# Altium PCB DD2088PoE_Daisy_Chain.PcbDoc (part 1 of 6) (continued)
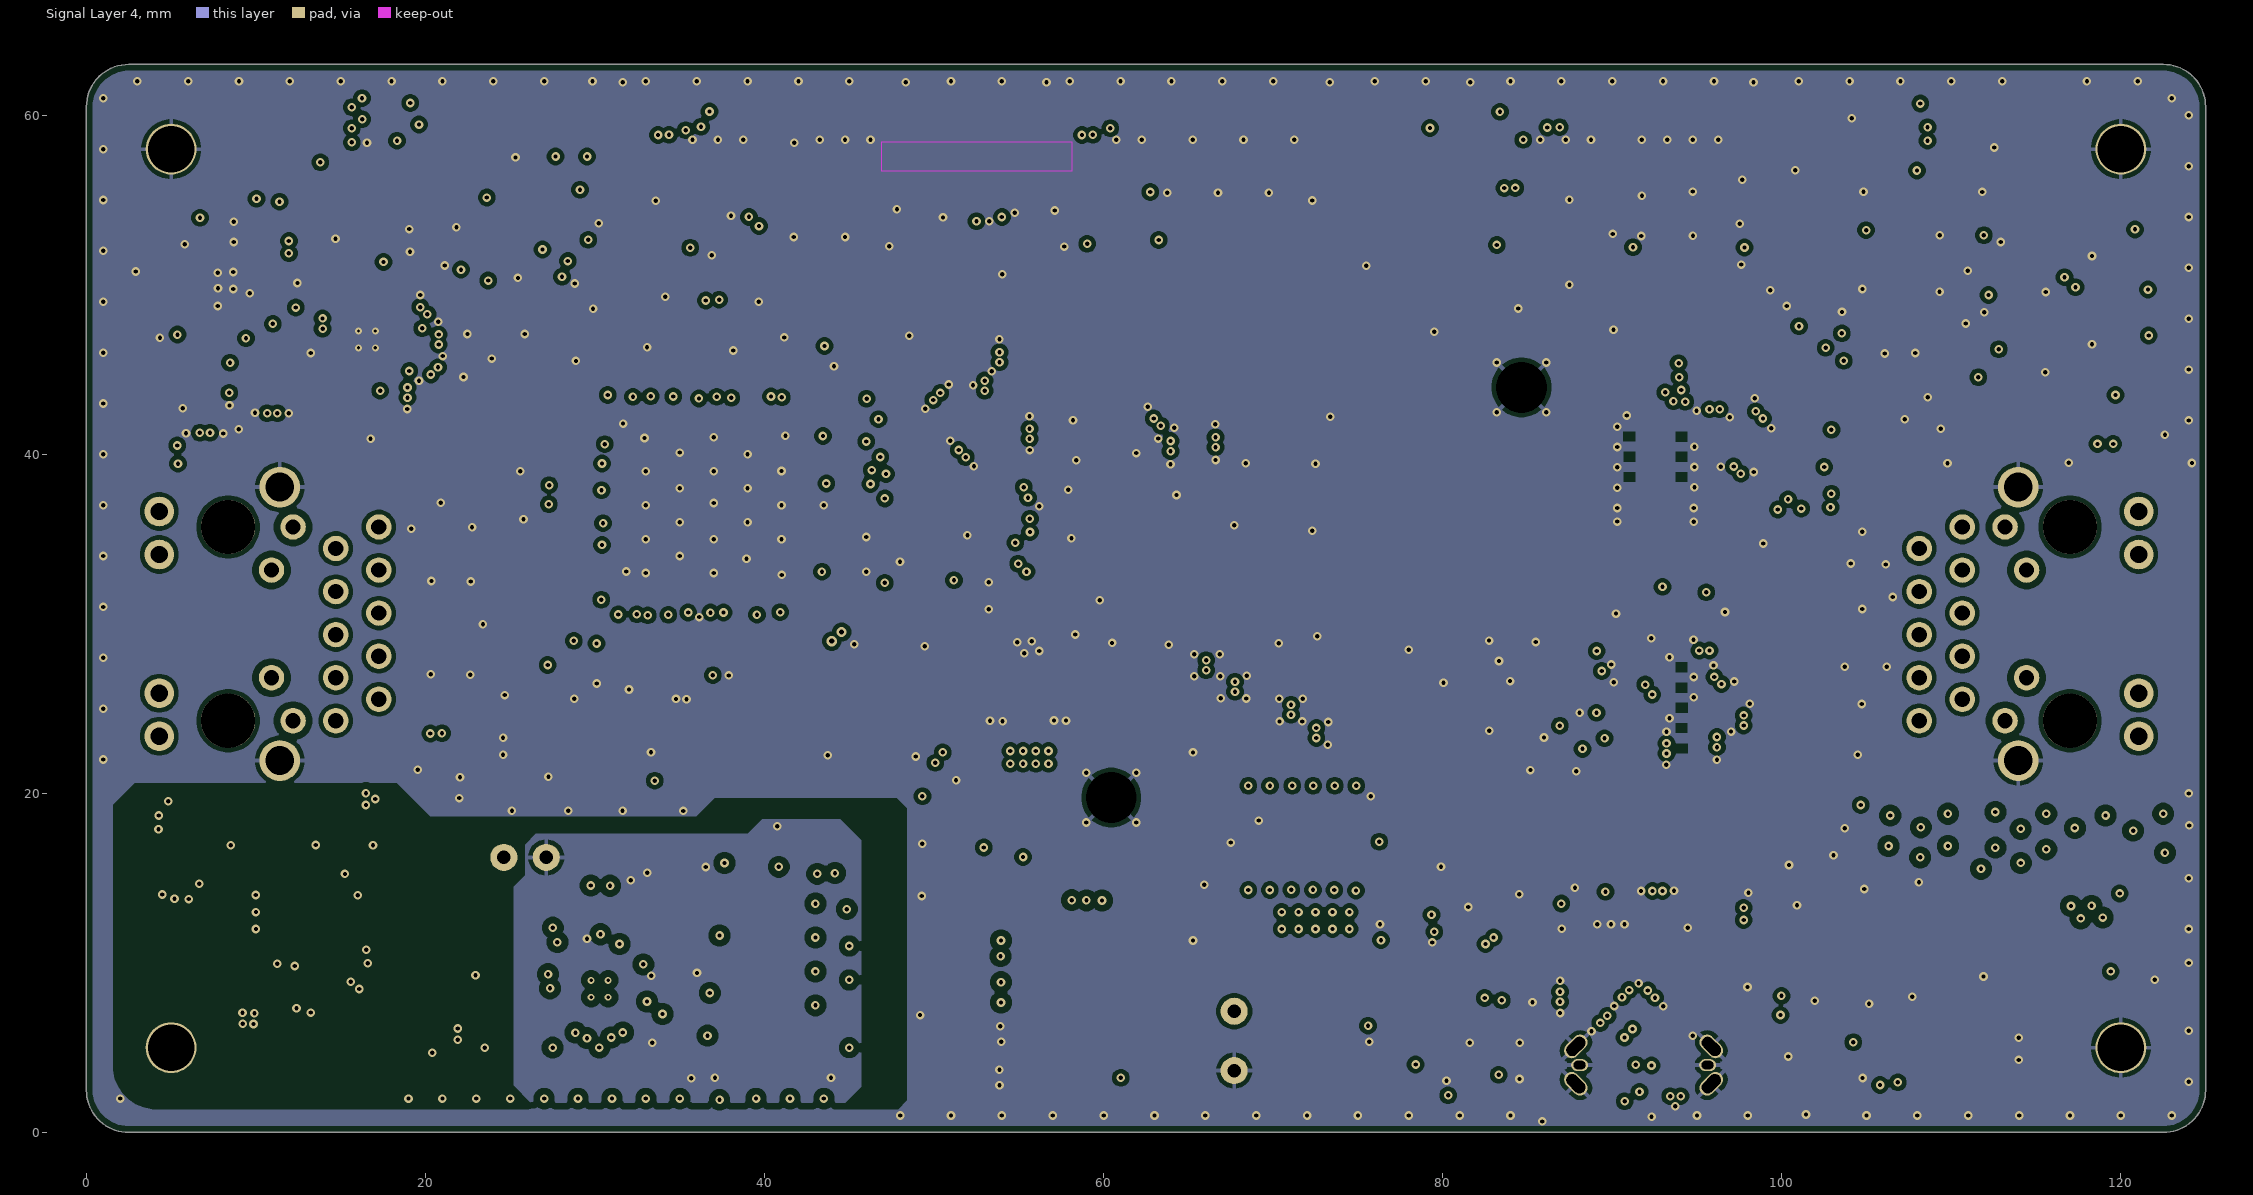
[diagram p5: Signal Layer 4]

## Layer stack, top to bottom
Top Mask: solder mask 0.015, Solder Resist, Dk 3.8
Top Copper: signal copper 0.035
Dielectric 1: prepreg 0.1, 2313, Dk 4.05
Signal Layer 1: signal copper 0.0175
Core 1: core 0.565, FR-4, Dk 4.5
Signal Layer 2: signal copper 0.0175
Dielectric 2: prepreg 0.127, 2116, Dk 4.25
Signal Layer 3: signal copper 0.0175
Core 2: core 0.565, FR-4, Dk 4.5
Signal Layer 4: signal copper 0.0175
Dielectric 3: prepreg 0.1, 2313, Dk 4.05
Bottom Copper: signal copper 0.035
Bottom Mask: solder mask 0.015, Solder Resist, Dk 3.8

## Board outline
0,2.5 ccw(c2.5,2.5) 2.5,0 122.5,0 ccw(c122.5,2.5) 125,2.5 125,60.5 ccw(c122.5,60.5) 122.5,63 2.5,63 ccw(c2.503,60.497) 0,60.495

## Design rules (kind name [scope] priority, off if disabled: settings)
AssemblyTestPointUsage [All] p1: valid=2
BoardOutlineClearance [All] p1: gap=0.381 ignorepadtopadclearanceinfootprint=FALSE
Clearance Diff_Pair_Spacing [(InDifferentialPairClass('All Differential Pairs'))] p1: gap=0.102 ignorepadtopadclearanceinfootprint=TRUE except(0.089: Via-Via; 0.254: SMDPad-Poly THPad-Poly Via-Poly; 0.508: Arc-Poly Track-Poly Fill-Poly Poly-Poly)
Clearance PoE [InNetClass('PoE')] p2: gap=0.254 ignorepadtopadclearanceinfootprint=TRUE except(0.102: Track-SMDPad; 0.203: Arc-Track Track-Track; 0.381: Arc-Poly Track-Poly SMDPad-Poly THPad-Poly Via-Poly Fill-Poly Poly-Poly)
Clearance general [All] p3: gap=0.102 ignorepadtopadclearanceinfootprint=FALSE except(0.254: Arc-Poly Track-Poly SMDPad-Poly THPad-Poly Via-Poly Fill-Poly Poly-Poly Poly-Region Poly-Text Poly-Hole)
ComponentClearance [All] p1: gap=0 collisioncheckmode=3 verticalgap=0 showdistances=FALSE
DiffPairsRouting 85ohm [InDifferentialPairClass('85ohm')] p1: maxlimit=0.254 minlimit=0.127 mostfreqgap=0.254 toplayer_maxgap=0.13 toplayer_prefgap=0.13 toplayer_minwidth=0.13 toplayer_maxwidth=0.139 toplayer_prefwidth=0.13 midlayer2_mingap=0.15 midlayer2_maxgap=0.15 midlayer2_prefgap=0.15 midlayer2_minwidth=0.131 midlayer2_maxwidth=0.131 midlayer2_prefwidth=0.131 bottomlayer_maxgap=0.13 bottomlayer_prefgap=0.13 bottomlayer_minwidth=0.13 bottomlayer_maxwidth=0.139 bottomlayer_prefwidth=0.13 impedanceprofiledriven=TRUE impedanceprofileid={86B41CE9-344F-4982-9283-744235B62342} impedanceprofilevalue=90.000000 maxuncoupledlength=12.7
DiffPairsRouting 90ohm [InDifferentialPairClass('USB3')] p2: maxlimit=0.254 minlimit=0.127 mostfreqgap=0.254 toplayer_maxgap=0.13 toplayer_prefgap=0.13 toplayer_minwidth=0.13 toplayer_maxwidth=0.139 toplayer_prefwidth=0.13 midlayer2_mingap=0.15 midlayer2_maxgap=0.15 midlayer2_prefgap=0.15 midlayer2_minwidth=0.131 midlayer2_maxwidth=0.131 midlayer2_prefwidth=0.131 bottomlayer_maxgap=0.13 bottomlayer_prefgap=0.13 bottomlayer_minwidth=0.13 bottomlayer_maxwidth=0.139 bottomlayer_prefwidth=0.13 impedanceprofiledriven=TRUE impedanceprofileid={86B41CE9-344F-4982-9283-744235B62342} impedanceprofilevalue=90.000000 maxuncoupledlength=12.7
DiffPairsRouting 100ohm [InDifferentialPairClass('100ohm')] p3: maxlimit=0.267 minlimit=0.127 mostfreqgap=0.254 toplayer_maxgap=0.195 toplayer_prefgap=0.195 toplayer_minwidth=0.105 toplayer_maxwidth=0.13 toplayer_prefwidth=0.13 midlayer2_mingap=0.18 midlayer2_prefgap=0.267 midlayer2_minwidth=0.11 midlayer2_maxwidth=0.13 midlayer2_prefwidth=0.13 bottomlayer_maxgap=0.195 bottomlayer_prefgap=0.195 bottomlayer_minwidth=0.105 bottomlayer_maxwidth=0.13 bottomlayer_prefwidth=0.13 impedanceprofiledriven=TRUE impedanceprofileid={980D49B1-4842-4C85-BE42-F6056FE0C244} impedanceprofilevalue=100.000000 maxuncoupledlength=12.7
FabricationTestPointUsage [All] p1: valid=2 allowmultiple=FALSE
HoleSize [All] p1: absolutevalues=TRUE maxlimit=3.81 minlimit=0.203 maxpercent=80.000 minpercent=20.000
HoleToHoleClearance [All] p1: gap=0.254 allowstackedmicrovias=FALSE
MatchedLengths USBD_XSIG [InxSignalClass('USBD')] p1: tolerance=1.27 checknetsindiffpair=TRUE checkdiffpairvsdiffpair=FALSE checkxsignals=FALSE checkothers=FALSE
MatchedLengths USBRX_XSIG [InxSignalClass('USBRX')] p2: tolerance=0.127 checknetsindiffpair=TRUE checkdiffpairvsdiffpair=FALSE checkxsignals=FALSE checkothers=FALSE
MatchedLengths USBTX_XSIG [InxSignalClass('USBTX')] p3: tolerance=0.127 checknetsindiffpair=TRUE checkdiffpairvsdiffpair=FALSE checkxsignals=FALSE checkothers=FALSE
MatchedLengths SPI [InNetClass('QSPI')] p4: tolerance=25.4 checknetsindiffpair=FALSE checkdiffpairvsdiffpair=TRUE checkxsignals=TRUE checkothers=TRUE usedelayunits=TRUE delaytolerance=10.000000
MatchedLengths SDIO [InNetClass('SDIO')] p5: tolerance=25.4 checknetsindiffpair=FALSE checkdiffpairvsdiffpair=TRUE checkxsignals=TRUE checkothers=TRUE usedelayunits=TRUE delaytolerance=10.000000
MatchedLengths MIPI_A [InNetClass('MIPI_CAM_A')] p6: tolerance=25.4 checknetsindiffpair=FALSE checkdiffpairvsdiffpair=TRUE checkxsignals=TRUE checkothers=TRUE usedelayunits=TRUE delaytolerance=1.000000
MatchedLengths MIPI_B [InNetClass('MIPI_CAM_B')] p7: tolerance=25.4 checknetsindiffpair=FALSE checkdiffpairvsdiffpair=TRUE checkxsignals=TRUE checkothers=TRUE usedelayunits=TRUE delaytolerance=1.000000
MatchedLengths MIPI_C [InNetClass('MIPI_CAM_C')] p8: tolerance=25.4 checknetsindiffpair=FALSE checkdiffpairvsdiffpair=TRUE checkxsignals=TRUE checkothers=TRUE usedelayunits=TRUE delaytolerance=1.000000
MatchedLengths DIFF_PAIR [(InDifferentialPairClass('100ohm') or InDifferentialPairClass('85ohm'))] p9: tolerance=0.127 checknetsindiffpair=TRUE checkdiffpairvsdiffpair=FALSE checkxsignals=FALSE checkothers=FALSE
MinimumSolderMaskSliver USB3_Connector [HasFootprint('105450-0101')  OR HasFootprint('CX80B1-24P') OR HasFootprint('TPD4E02B04DQAR')  OR HasFootprint('RTL8111HX-CG')] p1: minsoldermaskwidth=0.003
MinimumSolderMaskSliver RTL8111 [HasFootprint('CX80B1-24P')] p2: minsoldermaskwidth=0.003
MinimumSolderMaskSliver [All] p3: minsoldermaskwidth=0.076
PlaneConnect [All] p1: pad.planeconnectstyle=Relief pad.reliefexpansion=0.508 pad.reliefentries=4 pad.reliefconductorwidth=0.254 pad.reliefairgap=0.254 via.planeconnectstyle=Direct via.reliefexpansion=0.508 via.reliefentries=4 via.reliefconductorwidth=0.254 via.reliefairgap=0.254
PolygonConnect DirectConnect [InPolygonClass('DirectConnectPoly')] p1: connectstyle=Direct reliefconductorwidth=0.254 reliefentries=4 polygonreliefangle="90 Angle" airgapwidth=0.254
PolygonConnect OuterLayerGND_PolyClass [InPolygonClass('OuterLayerGND')] p2: thpad.connectstyle=Relief thpad.reliefconductorwidth=0.254 thpad.reliefentries=4 thpad.polygonreliefangle="90 Angle" thpad.airgapwidth=0.254 smdpad.connectstyle=Relief smdpad.reliefconductorwidth=0.254 smdpad.reliefentries=4 smdpad.polygonreliefangle="90 Angle" smdpad.airgapwidth=0.254 via.connectstyle=Direct via.reliefconductorwidth=0.254 via.reliefentries=4 via.polygonreliefangle="90 Angle" via.airgapwidth=0.254
PolygonConnect PoE_Poly [InPolygonClass('PoE_Poly')] p3: thpad.connectstyle=Direct thpad.reliefconductorwidth=0.254 thpad.reliefentries=4 thpad.polygonreliefangle="90 Angle" thpad.airgapwidth=0.254 smdpad.connectstyle=Relief smdpad.reliefconductorwidth=0.254 smdpad.reliefentries=4 smdpad.polygonreliefangle="90 Angle" smdpad.airgapwidth=0.254 via.connectstyle=Direct via.reliefconductorwidth=0.254 via.reliefentries=4 via.polygonreliefangle="90 Angle" via.airgapwidth=0.254
PolygonConnect Default [All] p4: thpad.connectstyle=Relief thpad.reliefconductorwidth=0.254 thpad.reliefentries=4 thpad.polygonreliefangle="90 Angle" thpad.airgapwidth=0.254 smdpad.connectstyle=Relief smdpad.reliefconductorwidth=0.254 smdpad.reliefentries=4 smdpad.polygonreliefangle="90 Angle" smdpad.airgapwidth=0.254 via.connectstyle=Direct via.reliefconductorwidth=0.254 via.reliefentries=4 via.polygonreliefangle="90 Angle" via.airgapwidth=0.254
RoutingLayers [All] p1: top layer_v5=TRUE mid layer 1_v5=TRUE mid layer 2_v5=TRUE mid layer 3_v5=TRUE mid layer 4_v5=FALSE bottom layer_v5=TRUE
RoutingVias [All] p1: holewidth=0.254 width=0.508 viastyle="Through Hole" minholewidth=0.203 minwidth=0.406 maxholewidth=25.4 maxwidth=25.4 viatemplateguid#1={A1903244-CB7C-4A2A-95EA-261E7733D27A} viatemplatename#1=v41h20m0mx0
SilkToSilkClearance [All] p1: silktosilkclearance=0.025
SilkToSolderMaskClearance SilkscreenOverComponentException [InComponent('U15')] p1: minsilkscreentomaskgap=0.076 clearancetoexposedcopper=TRUE
SilkToSolderMaskClearance SilkscreenOverComponentPads [IsPad] p2: minsilkscreentomaskgap=0.127 clearancetoexposedcopper=TRUE
SolderMaskExpansion [All] p1: expansion=0.051 istentingtop=FALSE
UnRoutedNet [All] p1: checkbadconnections=TRUE
Width "Schematic Width Constraint_1" [InNetClass('PoE')] p1: maxlimit=1.27 minlimit=0.102 preferedwidth=0.381
Width [All] p2: maxlimit=2.54 minlimit=0.102 preferedwidth=0.127
18 further rules are at their usual default settings.

## Classes and differential pairs
component class U_RJ45_2: C113 D30 D31 J10 R97 R98
component class U_DD2088PoE_Daisy_Chain_CAM: D22 D23 D24 D25 D26 D27 D28 J6 J8 J9 R79 R80 R81 R82 TP23 TP24 TP31 TP32 TP33 TP34 TP35 TP36 TP37
component class U_Ethernet_Switch: C67 C68 C69 C70 C71 C72 C75 C77 C78 C79 C80 C81 C82 C83 C84 C85 C86 C87 C88 C89 C97 C98 C99 C100 C101 C102 C103 C104 C105 C106 C107 C108 C109 C110 C111 C112 D29 FB4 FB5 R87 R88 R89 R90 R91 R92 R93 R94 R95 R96 U15 X2
component class U_DD2088PoE_Daisy_Chain_IMU: C90 C91 C92 C93 C94 C95 C96 R83 R84 R85 R86 TP19 TP25 TP26 U12 Y1
polygon class PoE_Poly: VNEG_IN_L01_P432 VNEG_L01_P434 VNEG_L04_P456 VPOS_IN_L01_P431
polygon class DirectConnectPoly: 3V3_L01_P426 NETC6_2_L04_P452 PCIE_1V0_L01_P427 REGOUT_L01_P428 VNEG_IN_L04_P448 VPOS_IN_L04_P447 VPOS_IN_L04_P449
net class Power_trace: 1V2 1V8 2V5 3V3 5V_PoE GND
component class U_POWER_GEN: C56 C57 C58 C59 C60 C62 C63 C64 L3 L4 R68 R69 R75 R76 TP3 TP7 TP14 U8 U9 U13 U14
net class PoE: CT1 CT2 NetC6_2 SP1 SP2 SWO VNEG VNEG_IN VNEG_OUT VPOS VPOS_IN VPOS_OUT VSEC VSS
component class TopLevel: FID1 FID2 FID3 FID4 FID5 FID6 MH1 MH2 MP1 MP2 MP3 MP4
differential pair class USB3: RXB RXC TXB TXB1 TXC TXC1 USB_D USB_RX USB_TX
net class USB: TXB1_N TXB1_P TXB_N TXB_P TXC1_N TXC1_P TXC_N TXC_P USB_D_N USB_D_P USB_RX_N USB_RX_P USB_TX_N USB_TX_P
net class SDIO: sd_hst0_clk sd_hst0_cmd sd_hst0_dat_0 sd_hst0_dat_1 sd_hst0_dat_2 sd_hst0_dat_3
net class QSPI: BNO08x_CIPO_1V8 BNO08x_COPI_1V8 BNO08x_CS_1V8 BNO08x_SCK_1V8
net class MIPI_CAM_C: CAM_R_C_N CAM_R_C_P CAM_R_D0_N CAM_R_D0_P CAM_R_D1_N CAM_R_D1_P
net class MIPI_CAM_B: CAM_L_C_N CAM_L_C_P CAM_L_D0_N CAM_L_D0_P CAM_L_D1_N CAM_L_D1_P
net class MIPI_CAM_A: MIPI_C_N MIPI_C_P MIPI_D0_N MIPI_D0_P MIPI_D1_N MIPI_D1_P MIPI_D2_N MIPI_D2_P MIPI_D3_N MIPI_D3_P
component class U_RJ45_1: C10 C12 C13 C14 C15 C16 C17 C50 C54 D8 D9 D17 D18 J1 R58 R59
component class U_ETH_PCIE_PHY: C21 C34 C35 C36 C37 C38 C39 C40 C41 C42 C43 C44 C45 C46 C47 C48 C49 C51 C52 C53 D1 D16 D19 D20 D21 L2 Q1 R28 R29 R46 R47 R48 R49 R50 R70 R71 R72 R73 R74 U4 U6 X1
component class U_DD2088PoE_Daisy_Chain_USB: C61 C73 C74 C76 C207 C208 C209 C211 C212 J14 R31 R32 R183 R185 R186 R187 R190 R213 R214 RZ28 RZ29 TP40 TP41 TP42 TP43 TP44 U61 U62
differential pair class 100ohm: BRIDGE_REFCLK BRIDGE_REFCLK1 CAM_L_C CAM_L_D0 CAM_L_D1 CAM_R_C CAM_R_D0 CAM_R_D1 MIPI_C MIPI_D0 MIPI_D1 MIPI_D2 MIPI_D3 SDS_IO_CLKI SDS_IO_CLKI1 SDS_RXD SDS_RXD1 SDS_TXD TXRX1A TXRX1B TXRX1C TXRX1D TXRX3A TXRX3B TXRX3C TXRX3D TXRX4A TXRX4B TXRX4C TXRX4D
component class U_PCIE_CLK: C18 C19 C20 C27 C28 C29 C30 C31 C32 FB1 OS1 R6 R25 R26 R30 R33 R34 R35 R36 R37 R38 R39 R40 R41 R42 R43 R44 R45 R64 R65 RZ1 RZ2 U3 U7
component class U_CONNECTOR_B: J3 q R27
component class U_CONNECTOR_A: B1 J2 TP27 TP28 TP29 TP30
component class U_BOOT_JTAG_AUX: C55 D3 D6 D7 J4 J5 J7 Q2 Q3 Q4 R1 R2 R7 R9 R16 R19 R20 R21 R22 R23 R53 R54 R55 R56 R60 R61 R62 R63 R66 R67 SW1 TP1 TP2
net class ETH: TXRX1A_N TXRX1A_P TXRX1B_N TXRX1B_P TXRX1C_N TXRX1C_P TXRX1D_N TXRX1D_P TXRX3A_N TXRX3A_P TXRX3B_N TXRX3B_P TXRX3C_N TXRX3C_P TXRX3D_N TXRX3D_P TXRX4A_N TXRX4A_P TXRX4B_N TXRX4B_P TXRX4C_N TXRX4C_P TXRX4D_N TXRX4D_P
component class U_PoE_Si3404: C1 C2 C3 C4 C5 C6 C7 C8 C9 C11 C22 C23 C24 C25 C26 C33 D2 D4 D5 FB2 FB3 L1 NT1 Q5 R3 R4 R5 R8 R10 R11 R12 R13 R14 R15 R17 R18 R24 R51 R52 R57 T1 TP5 TP6 TP8 TP9 TP10 TP11 TP12 TP13 U1 U2 U5 U10
differential pair TXRX1D: +TXRX1D_P -TXRX1D_N
differential pair TXRX1C: +TXRX1C_P -TXRX1C_N
differential pair TXRX1B: +TXRX1B_P -TXRX1B_N
differential pair TXRX1A: +TXRX1A_P -TXRX1A_N
differential pair TXRX3D: +TXRX3D_P -TXRX3D_N
differential pair TXRX3C: +TXRX3C_P -TXRX3C_N
differential pair TXRX3B: +TXRX3B_P -TXRX3B_N
differential pair TXRX3A: +TXRX3A_P -TXRX3A_N
differential pair TXRX4D: +TXRX4D_P -TXRX4D_N
differential pair TXRX4C: +TXRX4C_P -TXRX4C_N
differential pair TXRX4B: +TXRX4B_P -TXRX4B_N
differential pair TXRX4A: +TXRX4A_P -TXRX4A_N
differential pair MIPI_D3: +MIPI_D3_P -MIPI_D3_N
differential pair MIPI_D2: +MIPI_D2_P -MIPI_D2_N
differential pair MIPI_D1: +MIPI_D1_P -MIPI_D1_N
differential pair MIPI_D0: +MIPI_D0_P -MIPI_D0_N
differential pair MIPI_C: +MIPI_C_P -MIPI_C_N
differential pair CAM_R_D1: +CAM_R_D1_P -CAM_R_D1_N
differential pair CAM_R_D0: +CAM_R_D0_P -CAM_R_D0_N
differential pair CAM_R_C: +CAM_R_C_P -CAM_R_C_N
differential pair CAM_L_D1: +CAM_L_D1_P -CAM_L_D1_N
differential pair CAM_L_D0: +CAM_L_D0_P -CAM_L_D0_N
differential pair CAM_L_C: +CAM_L_C_P -CAM_L_C_N
differential pair SDS_RXD1: +SDS_RXD1_P -SDS_RXD1_N
differential pair SDS_IO_CLKI1: +SDS_IO_CLKI1_P -SDS_IO_CLKI1_N
differential pair BRIDGE_REFCLK1: +BRIDGE_REFCLK1_P -BRIDGE_REFCLK1_N
differential pair USB_TX: +USB_TX_P -USB_TX_N
differential pair TXC: +TXC_P -TXC_N
differential pair TXC1: +TXC1_P -TXC1_N
differential pair TXB: +TXB_P -TXB_N
differential pair TXB1: +TXB1_P -TXB1_N
differential pair RXC: +RXC_P -RXC_N
differential pair RXB: +RXB_P -RXB_N
differential pair BRIDGE_REFCLK: +BRIDGE_REFCLK_P -BRIDGE_REFCLK_N
differential pair USB_RX: +USB_RX_P -USB_RX_N
differential pair USB_D: +USB_D_P -USB_D_N
differential pair SDS_TXD: +SDS_TXD_P -SDS_TXD_N
differential pair SDS_RXD: +SDS_RXD_P -SDS_RXD_N
differential pair SDS_IO_CLKI: +SDS_IO_CLKI_P -SDS_IO_CLKI_N

## Components (designator, comment, footprint, x,y, rotation, side; value= is the part's Value field where it differs from the comment)
B1 "Off-Mom, 50mA" DTSM-32N-V 115.575,48.975 r90 top
C1 "1uF 1210" CAPC1210(3225)280_N 34.823,14.275 r270 top
C2 "12uF 6.3mm" EEU-FC2A120 25.873,16.225 r0 top
C3 "1uF 1210" CAPC1210(3225)280_N 31.348,14.275 r270 top
C4 "0.1UF 0805" CAPC0805(2012)145_N 39.65,13.875 r90 bottom
C5 "1nF 0603 C0G" CAPC0603(1608)100_N 56.055,7.024 r180 bottom
C6 "100uF 1206" CAPC1206(3216)190_N 63.7,9.825 r270 bottom
C7 "1000uF 8mm" ECA-0JM102 67.7,5.4 r270 top
C8 "0.1UF 0805" CAPC0805(2012)145_N 21.35,7.975 r270 bottom
C9 "22NF 0603" CAPC0603(1608)100_N 58.475,3.225 r0 top
C10 "1nF 0402" CAPC0402(1005)60_N 4.21,16.5 r270 top
C11 "1uF 0402" CAPC0402(1005)70_N 33.975,5.708 r90 top
C12 "1nF 0402" CAPC0402(1005)60_N 7.75,16.5 r270 top
C13 "1nF 0402" CAPC0402(1005)60_N 9.29,16.5 r270 top
C14 "1nF 0402" CAPC0402(1005)60_N 5.75,16.5 r270 top
C15 "1nF 0402" CAPC0402(1005)60_N 12.81,16.501 r270 bottom
C16 "1nF 0402" CAPC0402(1005)60_N 14.35,16.501 r270 bottom
C17 "1nF 0402" CAPC0402(1005)60_N 17.65,16.513 r270 bottom
C18 "0.1uF 0402" CAPC0402(1005)70_N 26.784,49.75 r0 top
C19 "0.1uF 0402" CAPC0402(1005)70_N 25.756,55.606 r0 top
C20 "0.1uF 0402" CAPC0402(1005)70_N 13.578,54.898 r180 top
C21 "4.7uF 0603" CAPC0603(1608)100_N 9.388,48.169 r0 bottom
C22 "0.1uF 0402" CAPC0402(1005)60_N 28.623,12.041 r180 top
C23 "2.2nF 0603" CAPC0603(1608)100_N 49.451,20.7 r0 bottom
C24 "10nF 0402" CAPC0402(1005)60_N 34.823,12.3 r180 bottom
C25 "1nF 1206" CAPC1206(3216)190_N 46.575,3.2 r0 bottom
C26 "1nF 1206" CAPC1206(3216)190_N 46.548,15.325 r0 bottom
C27 "0.1uF 0402" CAPC0402(1005)70_N 10.709,46.454 r0 top
C28 "0.1uF 0402" CAPC0402(1005)70_N 6.25,53.1 r180 top
C29 "0.1uF 0402" CAPC0402(1005)70_N 4.875,47.875 r180 top
C30 "0.1uF 0402" CAPC0402(1005)70_N 9.539,53.119 r180 top
C31 "0.1uF 0402" CAPC0402(1005)70_N 12.75,49.346 r0 top
C32 "10uF 0402" CAPC0402(1005)70_N 9.543,54.328 r0 top
C33 "0.1UF 0805" CAPC0805(2012)145_N 14.4,7.9 r270 bottom
C34 "0.1uF 0402" CAPC0402(1005)70_N 11.657,47.736 r270 bottom
C35 "0.1uF 0201" CAPC0201(0603)33_L 12.154,44.777 r0 bottom
C36 "4.7uF 0603" CAPC0603(1608)100_N 9.615,53.309 r270 bottom
C37 "0.1uF 0402" CAPC0402(1005)70_N 10.981,52.971 r270 bottom
C38 "4.7uF 0603" CAPC0603(1608)100_N 22.1,49.275 r90 bottom
C39 "4.7uF 0603" CAPC0603(1608)100_N 16.2,42.525 r0 top
C40 "0.1uF 0402" CAPC0402(1005)70_N 20.75,49.7 r90 bottom
C41 "0.1uF 0402" CAPC0402(1005)70_N 16.251,43.874 r0 top
C42 "0.1uF 0402" CAPC0402(1005)70_N 18.289,47.448 r0 top
C43 "0.1uF 0402" CAPC0402(1005)70_N 18.289,46.121 r0 top
C44 "0.1uF 0402" CAPC0402(1005)70_N 14.988,47.306 r180 top
C45 "0.1uF 0402" CAPC0402(1005)70_N 17.7,49.975 r180 bottom
C46 "1uF 0402" CAPC0402(1005)70_N 18.575,51.35 r180 bottom
C47 "1uF 0402" CAPC0402(1005)70_N 14.496,45.619 r90 top
C48 "27pF 0402" CAPC0402(1005)60_N 15.717,53.285 r0 bottom
C49 "27pF 0402" CAPC0402(1005)60_N 17.867,53.285 r180 bottom
C50 "0.1UF 0805" CAPC0805(2012)145_N 21.375,29.849 r180 bottom
C51 "0.1uF 0201" CAPC0201(0603)33_L 12.156,45.435 r0 bottom
C52 "0.1uF 0402" CAPC0402(1005)70_N 26.45,57.575 r0 bottom
C53 "0.1uF 0402" CAPC0402(1005)70_N 25.644,51.713 r0 bottom
C54 "1nF 0402" CAPC0402(1005)60_N 16.11,16.513 r270 bottom
C55 "4.7uF 0603" CAPC0603(1608)100_N 105.858,4.5 r0 bottom
C56 "10uF 0603" CAPC0603(1608)100_N 78.55,2.85 r180 top
C57 "10uF 0603" CAPC0603(1608)100_N 78.25,10.325 r180 top
C58 "4.7uF 0603" CAPC0603(1608)100_N 21.828,22.737 r90 bottom
C59 "4.7uF 0603" CAPC0603(1608)100_N 27.253,22.615 r90 bottom
C60 "10uF 0603" CAPC0603(1608)100_N 37.015,18.968 r0 bottom
C61 "1uF 0402" CAPC0402(1005)70_N 80.125,6.525 r90 bottom
C62 "10uF 0603" CAPC0603(1608)100_N 104.975,51.4 r90 bottom
C63 "10uF 0603" CAPC0603(1608)100_N 98.975,51.4 r90 bottom
C64 "22uF 0603" CAPC0603(1608)100_N 37.028,25.468 r0 bottom
C67 "22uF 0603" CAPC0603(1608)100_N 28.75,27.25 r90 bottom
C68 "0.1uF 0402" CAPC0402(1005)70_N 33.5,42.25 r90 bottom
C69 "0.1uF 0402" CAPC0402(1005)70_N 34.282,31.784 r270 bottom
C70 "0.1uF 0402" CAPC0402(1005)70_N 30.085,27.699 r90 bottom
C71 "0.1uF 0402" CAPC0402(1005)70_N 31,42.25 r90 bottom
C72 "0.1uF 0402" CAPC0402(1005)70_N 31.55,39.425 r180 bottom
C73 "10uF 0402" CAPC0402(1005)70_N 89.779,4.825 r0 bottom
C74 "10uF 0402" CAPC0402(1005)70_N 90.538,13.482 r180 bottom
C75 "0.1uF 0402" CAPC0402(1005)70_N 37.089,42.254 r90 bottom
C76 "10uF 0402" CAPC0402(1005)70_N 81.5,12 r270 bottom
C77 "0.1uF 0402" CAPC0402(1005)70_N 31.55,34.636 r180 bottom
C78 "22uF 0603" CAPC0603(1608)100_N 32.081,27.823 r90 bottom
C79 "0.1uF 0402" CAPC0402(1005)70_N 34.75,42.25 r90 bottom
C80 "0.1uF 0402" CAPC0402(1005)70_N 35.912,42.248 r90 bottom
C81 "0.1uF 0402" CAPC0402(1005)70_N 32.25,42.25 r90 bottom
C82 "0.1uF 0402" CAPC0402(1005)70_N 31.772,40.608 r180 bottom
C83 "0.1uF 0402" CAPC0402(1005)70_N 30.642,32.807 r270 bottom
C84 "0.1uF 0402" CAPC0402(1005)70_N 33.088,31.571 r270 bottom
C85 "0.1uF 0402" CAPC0402(1005)70_N 31.84,31.571 r270 bottom
C86 "0.1uF 0402" CAPC0402(1005)70_N 31.55,36.451 r180 bottom
C87 "0.1uF 0402" CAPC0402(1005)70_N 31.55,37.646 r180 bottom
C88 "22uF 0603" CAPC0603(1608)100_N 44.743,32.234 r270 bottom
C89 "0.1uF 0402" CAPC0402(1005)70_N 40.402,42.302 r90 bottom
C90 "10uF 0603" CAPC0603(1608)100_L 111.95,46.875 r270 bottom
C91 "0.1uF 0402" CAPC0402(1005)70_L 110.853,46.575 r270 bottom
C92 "10uF 0603" CAPC0603(1608)100_L 111,49.475 r270 bottom
C93 "0.1uF 0402" CAPC0402(1005)70_L 109.938,49.125 r270 bottom
C94 "0.1uF 0402" CAPC0402(1005)70_L 107.475,42.775 r180 bottom
C95 "18pF 0201" CAPC0201(0603)33_L 107.011,49.357 r0 bottom
C96 "18pF 0201" CAPC0201(0603)33_L 108.511,49.357 r180 bottom
C97 "0.1uF 0402" CAPC0402(1005)70_N 38.307,42.249 r90 bottom
C98 "0.1uF 0402" CAPC0402(1005)70_N 26.75,39 r0 top
C99 "0.1uF 0402" CAPC0402(1005)70_N 26.834,36.172 r0 top
C100 "0.1uF 0402" CAPC0402(1005)70_N 42.548,38.264 r0 bottom
C101 "0.1uF 0402" CAPC0402(1005)70_N 42.255,33.348 r0 bottom
C102 "0.1uF 0402" CAPC0402(1005)70_N 39.546,31.762 r270 bottom
C103 "0.1uF 0402" CAPC0402(1005)70_N 36.701,31.802 r270 bottom
C104 "0.1uF 0402" CAPC0402(1005)70_N 35.523,31.802 r270 bottom
C105 "10uF 0402" CAPC0402(1005)70_N 47.54,33.026 r180 top
C106 "0.1uF 0402" CAPC0402(1005)70_N 42.317,46.305 r0 top
C107 "0.1uF 0402" CAPC0402(1005)70_N 47.548,34.277 r180 top
C108 "0.1uF 0402" CAPC0402(1005)70_N 40.923,31.741 r270 bottom
C109 "0.1uF 0402" CAPC0402(1005)70_N 38.107,31.782 r270 bottom
C110 "27pF 0402" CAPC0402(1005)60_N 32.831,47.353 r180 top
C111 "27pF 0402" CAPC0402(1005)60_N 30.699,47.352 r0 top
C112 "10uF 0402" CAPC0402(1005)70_N 42.275,41.7 r0 bottom
C113 "0.1UF 0805" CAPC0805(2012)145_N 104.8,28.929 r270 top
C207 "10uF 0402" CAPC0402(1005)70_N 89.731,2.341 r0 bottom
C208 "0.1uF 0201" CAPC0201(0603)33_L 90.725,9.925 r90 top
C209 "0.1uF 0201" CAPC0201(0603)33_L 90.125,9.925 r90 top
C211 "0.1uF 0201" CAPC0201(0603)33_L 88.725,9.925 r90 top
C212 "0.1uF 0201" CAPC0201(0603)33_L 88.125,9.925 r90 top
D1 "GREEN 0603" SML_D1xx8W 14.25,58.175 r180 top
D2 "1N4148W" 1N4148W-7-F 33.975,4.675 r270 bottom
D3 "ORANGE 0603" SML_D1xx8W 120.85,49.1 r270 top
D4 "RS1B" RS1B 40.75,8.8 r270 bottom
D5 "PDS1040" PDS1040-13 57.847,10.25 r180 bottom
D6 "RED 0603" SML_D1xx8W 120.85,46.394 r270 top
D7 "ORANGE 0603" SML_D1xx8W 120.85,51.806 r270 top
D8 "CD-HD01" SMD-4 6.649,15.167 r90 bottom
D9 "CD-HD01" SMD-4 15.25,15.25 r90 top
D16 "ORANGE 0603" SML_D1xx8W 14.25,59.463 r180 top
D17 "TPD4E02B04DQAR" TPD4E02B04DQAR 21.5,32.5 r270 top
D18 "TPD4E02B04DQAR" TPD4E02B04DQAR 21.5,27 r270 top
D19 "GREEN 0603" SML_D1xx8W 14.25,60.75 r180 top
D20 "GREEN 0603" SML_D1xx8W 17.7,60.725 r0 top
D21 "GREEN 0603" SML_D1xx8W 17.7,59.438 r0 top
D22 "TPD4E02B04DQAR" TPD4E02B04DQAR 94.75,54.057 r180 top